# Altium PCB MB1166.PcbDoc (part 38 of 39)
Units mil, origin at the board's own origin, x right, y up, seen from the top; angles counter-clockwise.
Board outline 5000.99 x 2352.96 mil, 4 copper layers (TOP, L2_GND, L3_VCC, BOTTOM), stack 25.9 mil thick; 35 components, 24 nets, 166 pads, 143 vias.
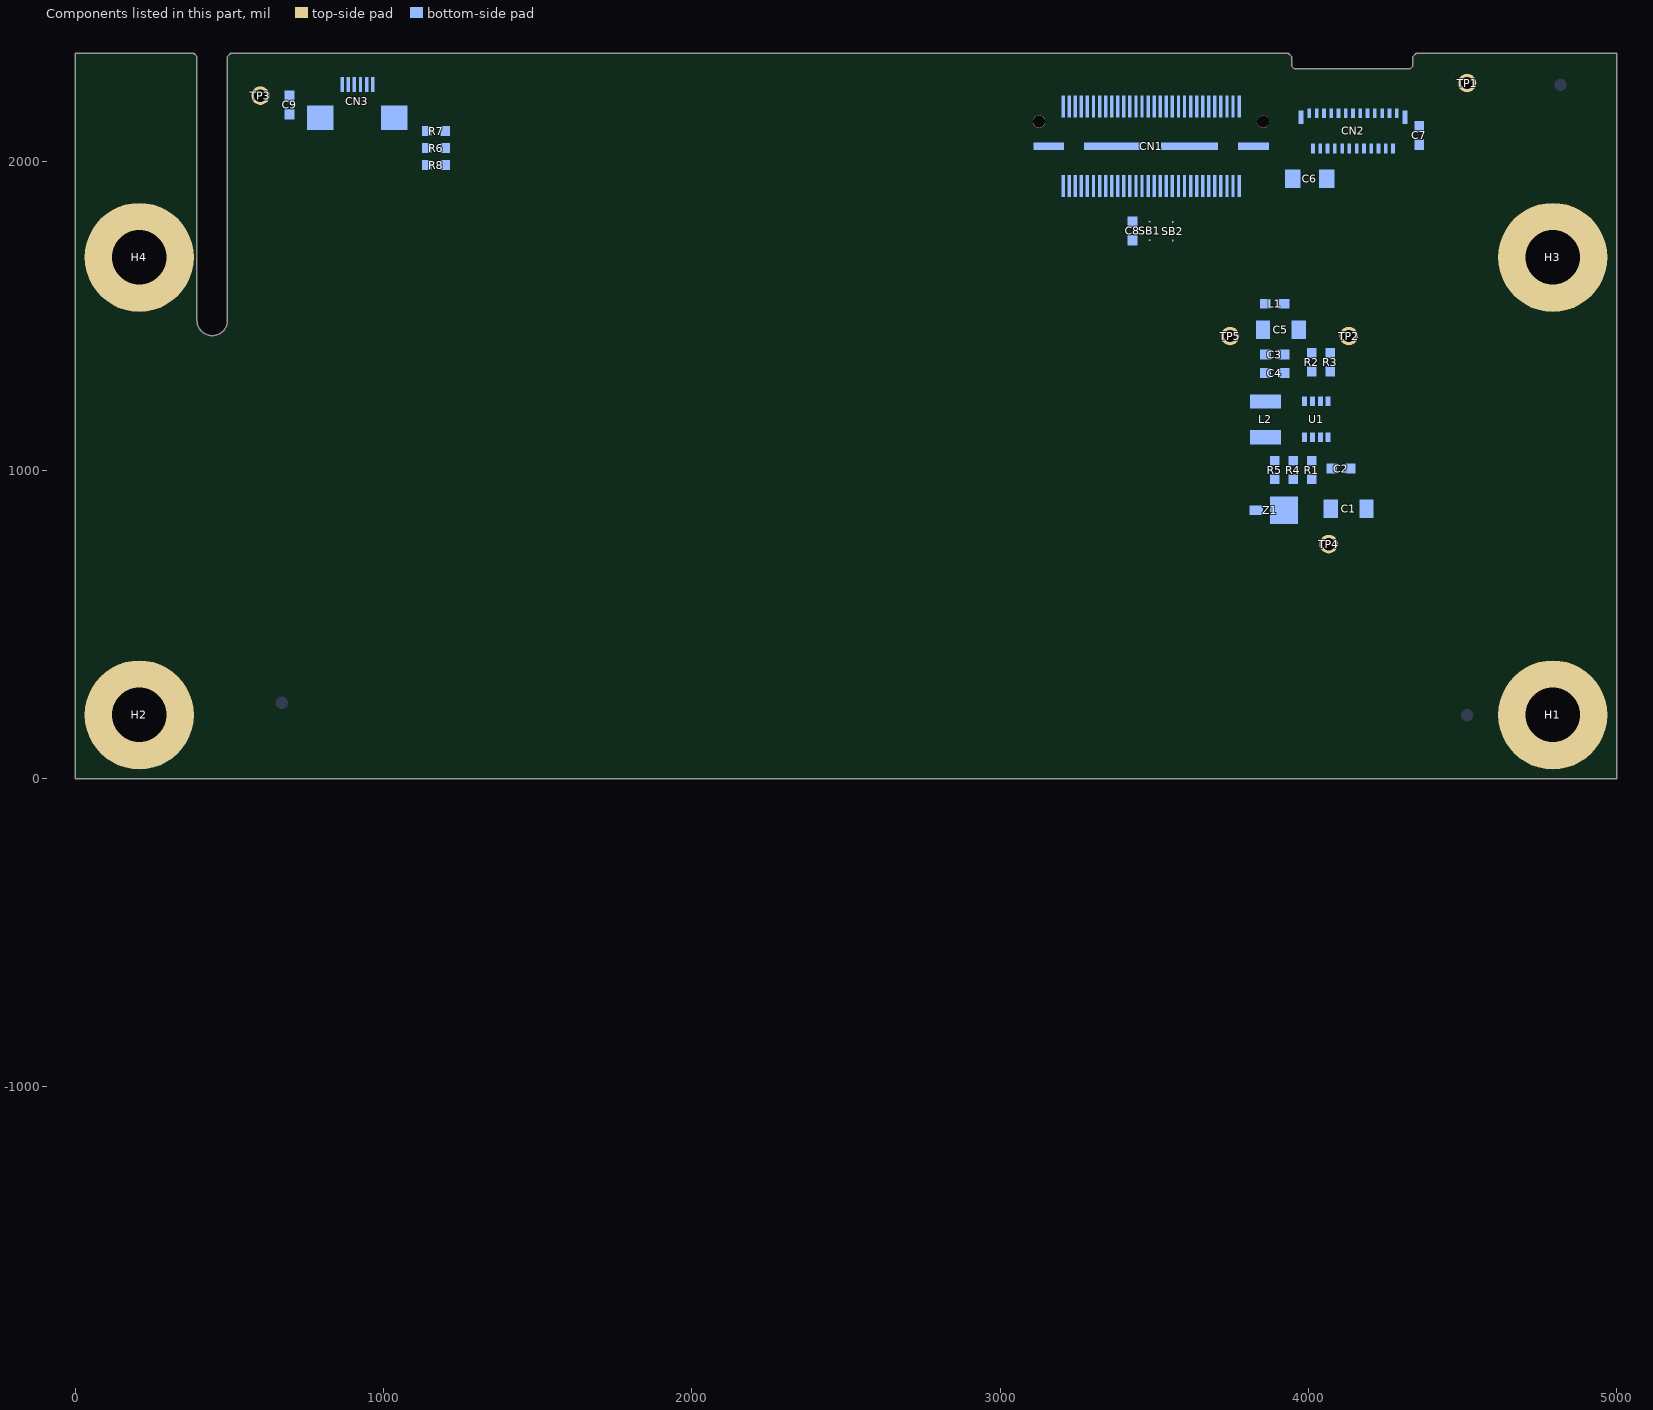
[diagram p40: the components of this part, seen from the top]

## Polygon pours and split planes (outlines as drawn) (continued)
no net on ORIGIN (solid): 0,100 -8.72,99.62 -17.36,98.48 -25.88,96.59 -34.2,93.97 -42.26,90.63 -50,86.6 -57.36,81.92 -64.28,76.6 -70.71,70.71 -76.6,64.28 -81.92,57.36 -86.6,50 -90.63,42.26 -93.97,34.2 -96.59,25.88 -98.48,17.36 -99.62,8.72 -100,0 0,0 0,100
no net on ORIGIN (solid): 0,-100 8.72,-99.62 17.36,-98.48 25.88,-96.59 34.2,-93.97 42.26,-90.63 50,-86.6 57.36,-81.92 64.28,-76.6 70.71,-70.71 76.6,-64.28 81.92,-57.36 86.6,-50 90.63,-42.26 93.97,-34.2 96.59,-25.88 98.48,-17.36 99.62,-8.72 100,0 0,0 0,-100
no net on ORIGIN (solid): 0,100 -8.72,99.62 -17.36,98.48 -25.88,96.59 -34.2,93.97 -42.26,90.63 -50,86.6 -57.36,81.92 -64.28,76.6 -70.71,70.71 -76.6,64.28 -81.92,57.36 -86.6,50 -90.63,42.26 -93.97,34.2 -96.59,25.88 -98.48,17.36 -99.62,8.72 -100,0 0,0 0,100
VL on BOTTOM "BOTTOM-VL" (solid, remove dead copper, pour order 14): 3700,1185 3680,1205 3680,1595 3695,1610 3870,1610 3880,1600 3880,1562.02 3837.46,1562.02 3837.46,1517.98 3880,1517.98 3880,1491.02 3823.96,1491.02 3823.96,1418.98 3880,1418.98 3880,1397.02 3837.46,1397.02 3837.46,1352.98 3880,1352.98 3880,1337.02 3837.46,1337.02 3837.46,1292.98 3880,1292.98 3880,1275 3890,1265 3975,1265 3990,1250 3990,1244.58 3973.58,1244.58 3973.58,1210 3935,1210 3930,1205 3930,1195 3920,1185 3700,1185
NETL2_2 on BOTTOM "BOTTOM-NETL2_2" (solid, remove dead copper, pour order 12): 3697,783 3680,800 3680,1130 3700,1150 3910,1150 3945,1115 3951.69,1115 3951.71,1114.98 3965.01,1114.98 3970,1110 3970,1090 3945,1065 3860,1065 3850,1055 3850,1014.29 3848.8,1013.28 3847.69,1012.17 3846.68,1010.96 3845.78,1009.67 3844.99,1008.31 3844.33,1006.89 3843.79,1005.41 3843.38,1003.89 3843.11,1002.34 3842.98,1000.77 3842.98,999.2 3843.12,997.64 3843.39,996.09 3843.8,994.57 3844.34,993.09 3845,991.67 3845.79,990.31 3846.69,989.02 3847.7,987.82 3848.81,986.71 3850,985.71 3850,892.02 3802.46,892.02 3802.46,847.98 3850,847.98 3850,799 3834,783 3697,783
GND on BOTTOM "BOTTOM-GND 2" (solid, remove dead copper, pour order 10): 3405.17,1963.87 3379.38,1989.66 3379.15,1989.92 3378.93,1990.2 3378.75,1990.49 3378.58,1990.8 3378.45,1991.12 3378.35,1991.45 3378.27,1991.8 3378.23,1992.14 3378.21,1992.49 3378.23,1992.84 3378.27,1993.18 3378.35,1993.53 3378.45,1993.86 3378.58,1994.18 3378.75,1994.49 3378.93,1994.78 3379.15,1995.06 3379.38,1995.32 3379.64,1995.55 3379.92,1995.77 3380.21,1995.95 3380.52,1996.12 3380.84,1996.25 3381.17,1996.35 3381.52,1996.43 3381.86,1996.47 3382.21,1996.49 3721.47,1996.49 3747.24,1970.72 3747.24,1963.87 3405.17,1963.87
GND on BOTTOM "BOTTOM-GND 1" (solid, remove dead copper, pour order 8): 3148.53,1863.52 2983.53,2028.52 1253.14,2028.52 1252.79,2028.54 1252.45,2028.58 1252.1,2028.66 1251.77,2028.76 1251.45,2028.89 1251.14,2029.06 1250.85,2029.24 1250.57,2029.46 1250.31,2029.69 1250.08,2029.95 1249.86,2030.23 1249.68,2030.52 1249.51,2030.83 1249.38,2031.15 1249.28,2031.48 1249.2,2031.83 1249.16,2032.17 1249.14,2032.52 1249.16,2032.87 1249.2,2033.21 1249.28,2033.56 1249.38,2033.89 1249.51,2034.21 1249.68,2034.52 1249.84,2034.78 1250.68,2036.11 1251.39,2037.51 1251.98,2038.97 1252.44,2040.47 1252.77,2042.01 1252.96,2043.57 1253.02,2045.14 1252.94,2046.71 1252.72,2048.27 1252.37,2049.8 1251.88,2051.29 1251.27,2052.74 1250.54,2054.13 1249.68,2055.45 1248.71,2056.69 1247.64,2057.84 1246.48,2058.89 1245.95,2059.31 1245.68,2059.53 1245.43,2059.78 1245.21,2060.04 1245.01,2060.33 1244.83,2060.63 1244.69,2060.95 1244.57,2061.28 1244.48,2061.61 1244.41,2061.96 1244.38,2062.3 1244.38,2062.65 1244.41,2063 1244.47,2063.34 1244.56,2063.68 1244.68,2064.01 1244.83,2064.33 1245.01,2064.63 1245.21,2064.91 1245.43,2065.18 1245.68,2065.43 1245.94,2065.65 1246.23,2065.85 1246.53,2066.03 1246.85,2066.17 1247.18,2066.29 1247.51,2066.38 1247.86,2066.45 1248.2,2066.48 1248.38,2066.48 2981.47,2066.48 3071.47,1976.48 3368.47,1976.48 3374.26,1970.7 3374.49,1970.44 3374.71,1970.16 3374.89,1969.87 3375.06,1969.56 3375.19,1969.24 3375.29,1968.91 3375.37,1968.56 3375.41,1968.22 3375.43,1967.87 3375.41,1967.52 3375.37,1967.18 3375.29,1966.83 3375.19,1966.5 3375.06,1966.18 3374.89,1965.87 3374.71,1965.58 3374.49,1965.3 3374.26,1965.04 3374,1964.81 3373.72,1964.59 3373.43,1964.41 3373.12,1964.24 3372.8,1964.11 3372.47,1964.01 3372.12,1963.93 3371.78,1963.89 3371.43,1963.87 3193.05,1963.87 3193.05,1879.83 3333.13,1879.83 3333.48,1879.81 3333.82,1879.77 3334.17,1879.69 3334.5,1879.59 3334.82,1879.46 3335.13,1879.29 3335.42,1879.11 3335.7,1878.89 3335.96,1878.66 3336.19,1878.4 3336.41,1878.12 3336.59,1877.83 3336.76,1877.52 3336.89,1877.2 3336.99,1876.87 3337.07,1876.52 3337.11,1876.18 3337.13,1875.83 3337.11,1875.48 3337.07,1875.14 3336.99,1874.79 3336.89,1874.46 3336.76,1874.14 3336.59,1873.83 3336.41,1873.54 3336.19,1873.26 3335.96,1873 3326.47,1863.52 3148.53,1863.52
GND on BOTTOM "BOTTOM-GND" (solid, remove dead copper, pour order 16): 4330,2281.3 4332.61,2281.41 4335.21,2281.76 4337.76,2282.32 4340.26,2283.11 4342.68,2284.11 4345,2285.32 4347.21,2286.73 4349.28,2288.32 4351.21,2290.09 4352.98,2292.02 4354.57,2294.09 4355.98,2296.3 4357.19,2298.62 4358.19,2301.04 4358.98,2303.54 4359.54,2306.09 4359.89,2308.69 4360,2311.3 4360,2331.96 4979.99,2331.96 4979.99,20 20,20 20,2331.96 373.74,2331.96 373.74,1485.99 374.01,1479.89 374.8,1473.83 376.13,1467.87 377.96,1462.05 380.3,1456.41 383.12,1450.99 386.4,1445.84 390.12,1440.99 394.24,1436.49 398.74,1432.37 403.59,1428.65 408.74,1425.37 414.16,1422.55 419.8,1420.21 425.62,1418.38 431.58,1417.05 437.64,1416.26 443.74,1415.99 449.84,1416.26 455.9,1417.05 461.86,1418.38 467.68,1420.21 473.32,1422.55 478.74,1425.37 483.89,1428.65 488.74,1432.37 493.24,1436.49 497.36,1440.99 501.08,1445.84 504.36,1450.99 507.18,1456.41 509.52,1462.05 511.35,1467.87 512.68,1473.83 513.47,1479.89 513.74,1485.99 513.74,2331.66 3925,2331.66 3925,2311.3 3925.11,2308.69 3925.46,2306.09 3926.02,2303.54 3926.81,2301.04 3927.81,2298.62 3929.02,2296.3 3930.43,2294.09 3932.02,2292.02 3933.79,2290.09 3935.72,2288.32 3937.79,2286.73 3940,2285.32 3942.32,2284.11 3944.74,2283.11 3947.24,2282.32 3949.79,2281.76 3952.39,2281.41 3955,2281.3 4330,2281.3
BLGND on BOTTOM "BOTTOM-BLGND" (solid, remove dead copper, pour order 6): 3967,1603 3930,1640 3730,1640 3604,1766 3604,1833 3592,1845 3540.5,1845 3535.5,1850 3535.5,1870 3541,1875.5 3727.5,1875.5 3800,1803 4114,1803 4250,1667 4250,815 4235,800 4155,800 4140,815 4140,970 4133.84,976.16 4133.6,976.41 4133.39,976.69 4133.2,976.99 4133.04,977.3 4132.91,977.62 4132.8,977.95 4132.73,978.29 4132.68,978.64 4132.67,978.99 4132.69,979.34 4132.73,979.68 4132.81,980.02 4132.91,980.35 4133.05,980.68 4133.21,980.99 4133.4,981.28 4133.61,981.56 4133.85,981.81 4134.1,982.05 4134.38,982.26 4134.68,982.45 4134.99,982.61 4135.31,982.74 4135.64,982.85 4135.98,982.92 4136.33,982.97 4136.67,982.98 4159.5,982.98 4159.5,1027.02 4120,1027.02 4120,1120 4105,1135 3960,1135 3950,1145 3950,1185 3954.99,1189.98 3993.29,1189.98 3998.31,1195 4125,1195 4130,1200 4130,1330 4095,1365 4093,1365 4093,1401.52 4048.96,1401.52 4048.96,1365 4033,1365 4033,1401.52 3988.96,1401.52 3988.96,1363.96 3965,1340 3965,1290 3960.01,1285.02 3905,1285.02 3905,1292.98 3944.5,1292.98 3944.5,1337.02 3905,1337.02 3905,1352.98 3944.5,1352.98 3944.5,1397.02 3905,1397.02 3905,1490 3925,1510 3952,1510 3967,1525 3967,1603
A on BOTTOM "BOTTOM-A" (solid, remove dead copper, pour order 4): 3890,705 3870,725 3870,790.69 3870.02,790.71 3870.02,819.48 3972,819.48 3972,920.52 3880.17,920.52 3879.82,920.54 3879.48,920.58 3879.13,920.66 3878.8,920.76 3878.48,920.89 3878.17,921.06 3877.88,921.24 3877.6,921.46 3877.34,921.69 3877.11,921.95 3876.89,922.23 3876.71,922.52 3876.54,922.83 3876.41,923.15 3876.31,923.48 3876.23,923.83 3876.19,924.17 3876.17,924.52 3876.19,924.87 3876.23,925.21 3876.31,925.56 3876.41,925.89 3876.54,926.21 3876.71,926.52 3876.89,926.81 3877.11,927.09 3877.34,927.34 3880,930 4035,930 4045,940 4045,1049 4036,1058 4036,1070 4043,1077 4073,1077 4099.98,1050.02 4099.98,1027.02 4052.46,1027.02 4052.46,982.98 4099.98,982.98 4099.98,981.71 4100,981.69 4100,975 4115,960 4115,725 4095,705 3890,705
GND on TOP "TOP-GND" (solid, remove dead copper, pour order 2): 20,20 20,2331.96 373.74,2331.96 373.74,1485.99 374.01,1479.89 374.8,1473.83 376.13,1467.87 377.96,1462.05 380.3,1456.41 383.12,1450.99 386.4,1445.84 390.12,1440.99 394.24,1436.49 398.74,1432.37 403.59,1428.65 408.74,1425.37 414.16,1422.55 419.8,1420.21 425.62,1418.38 431.58,1417.05 437.64,1416.26 443.74,1415.99 449.84,1416.26 455.9,1417.05 461.86,1418.38 467.68,1420.21 473.32,1422.55 478.74,1425.37 483.89,1428.65 488.74,1432.37 493.24,1436.49 497.36,1440.99 501.08,1445.84 504.36,1450.99 507.18,1456.41 509.52,1462.05 511.35,1467.87 512.68,1473.83 513.47,1479.89 513.74,1485.99 513.74,2331.96 3925,2331.96 3925,2311.3 3925.11,2308.69 3925.46,2306.09 3926.02,2303.54 3926.81,2301.04 3927.81,2298.62 3929.02,2296.3 3930.43,2294.09 3932.02,2292.02 3933.79,2290.09 3935.72,2288.32 3937.79,2286.73 3940,2285.32 3942.32,2284.11 3944.74,2283.11 3947.24,2282.32 3949.79,2281.76 3952.39,2281.41 3955,2281.3 4330,2281.3 4332.61,2281.41 4335.21,2281.76 4337.76,2282.32 4340.26,2283.11 4342.68,2284.11 4345,2285.32 4347.21,2286.73 4349.28,2288.32 4351.21,2290.09 4352.98,2292.02 4354.57,2294.09 4355.98,2296.3 4357.19,2298.62 4358.19,2301.04 4358.98,2303.54 4359.54,2306.09 4359.89,2308.69 4360,2311.3 4360,2331.96 4979.99,2331.96 4979.99,20 20,20
BLGND on TOP "TOP-BLGND" (solid, remove dead copper, pour order 0): 3484,2130 3490,2136 3537,2136 3560,2113 3560,1925 3629,1856 3629,1788 3622,1781 3579,1781 3513,1847 3513,2083 3484,2112 3484,2130
no net on LAY13 (solid): 4878,2250 ccw(c4818,2250) 4818,2310 ccw(c4818,2250) 4758,2250 ccw(c4818,2250) 4818,2190 ccw(c4818,2250) 4878,2250
no net on LAY13 (solid): 730,245 ccw(c670,245) 670,305 ccw(c670,245) 610,245 ccw(c670,245) 670,185 ccw(c670,245) 730,245
no net on LAY13 (solid): 4575,205 ccw(c4515,205) 4515,265 ccw(c4515,205) 4455,205 ccw(c4515,205) 4515,145 ccw(c4515,205) 4575,205
no net on LAY13 "PLACE_BOUND_TOP-No Net" (solid): 393.66,2350.98 393.66,0.98 4603.66,0.98 4603.66,2350.98 393.66,2350.98
VDD on L3_VCC (split plane): 254 vertices, not listed, extent 19.69,19.69 4980.3,2332.27
GND on L3_VCC (split plane): 3895.94,2329.5 3929.12,2296.33 3929.22,2296.07 3929.61,2295.66 3929.92,2295.19 3930.21,2294.99 3931.19,2293.57 3931.35,2293.41 3931.46,2293.21 3932.83,2291.56 3933,2291.42 3933.13,2291.23 3934.63,2289.7 3934.82,2289.58 3934.96,2289.4 3936.59,2288.01 3936.79,2287.9 3936.94,2287.74 3938.71,2286.48 3938.89,2286.22 3939.36,2285.91 3939.77,2285.52 3940.03,2285.42 3948.64,2276.81 3950.29,2275.7 3952.24,2275.31 4313.99,2275.31 4314.13,2275.25 4314.62,2274.62 4339.44,2249.8 4339.44,2015.2 4274.79,1950.56 4155.33,1950.56 4154.27,1950.42 4154.07,1950.56 4153.87,1950.66 4153.7,1950.81 4152.76,1951.39 4152.55,1951.46 4152.37,1951.6 4151.39,1952.09 4151.17,1952.15 4150.98,1952.27 4149.96,1952.67 4149.74,1952.71 4149.54,1952.82 4148.48,1953.13 4148.26,1953.15 4148.05,1953.24 4146.97,1953.46 4146.75,1953.46 4146.53,1953.53 4145.44,1953.65 4145.22,1953.63 4145,1953.68 4143.9,1953.71 4143.67,1953.67 4143.45,1953.7 4142.35,1953.63 4142.14,1953.57 4141.91,1953.58 4140.82,1953.42 4140.61,1953.34 4140.39,1953.33 4139.32,1953.08 4139.11,1952.98 4138.89,1952.95 4137.85,1952.6 4137.65,1952.49 4137.43,1952.44 4136.42,1952 4136.24,1951.88 4136.02,1951.81 4135.06,1951.28 4134.88,1951.14 4134.67,1951.05 4133.73,1950.42 4133.72,1950.42 4132.67,1950.56 3181.17,1950.56 3179.53,1951.24 3071.24,2059.52 3070.95,2060.21 3070.56,2061.16 3070.56,2330 3070.54,2330.11 3071.03,2330.31 3893.99,2330.31
no net on L3_VCC (split plane): 4892.91,999.72 4826.09,999.72 4826.09,1069.52 4892.91,1069.52
no net on L3_VCC (split plane): 4795.91,999.72 4730.09,999.72 4730.09,1069.52 4795.91,1069.52
GND on L2_GND (split plane): 250 vertices, not listed, extent 19.69,19.69 4980.3,2332.27
GND on L2_GND (split plane): 4896.38,909.72 4826.58,909.72 4826.58,979.52 4896.38,979.52
GND on L2_GND (split plane): 4796.38,909.72 4726.58,909.72 4726.58,979.52 4796.38,979.52

## Keep-outs
BOTTOM:
  circle w1: c4818,2250 r65
  circle w1: c4818,2250 r60
  circle w1: c670,245 r60
  circle w1: c670,245 r65
  circle w1: c4515,205 r60
  circle w1: c4515,205 r65
  circle w1: c4818,2250 r65
  circle w1: c4818,2250 r60
  circle w1: c670,245 r60
  circle w1: c670,245 r65
  circle w1: c4515,205 r60
  circle w1: c4515,205 r65
Keep-Out Layer:
  lines w1: 0,0 0,2351.96 ; 0,0 4999.99,0 ; 0,0 0,2351.96 ; 0,0 4999.99,0 ; 0,0 4999.99,0 ; 0,0 0,2351.96 ; 0,0 4999.99,0 ; 0,0 0,2351.96 ; 0,2351.96 383.74,2351.96 ; 0,2351.96 383.74,2351.96 ; 0,2351.96 383.74,2351.96 ; 0,2351.96 383.74,2351.96 ; 383.74,2351.96 cw(c383.74,2341.96) 393.74,2341.96 ; 383.74,2351.96 cw(c383.74,2341.96) 393.74,2341.96 ; 383.74,2351.96 cw(c383.74,2341.96) 393.74,2341.96 ; 383.74,2351.96 cw(c383.74,2341.96) 393.74,2341.96 ; 393.74,1485.99 ccw(c443.74,1485.99) 443.74,1435.99 ; 393.74,1485.99 ccw(c443.74,1485.99) 443.74,1435.99 ; 393.74,1485.99 ccw(c443.74,1485.99) 443.74,1435.99 ; 393.74,1485.99 ccw(c443.74,1485.99) 443.74,1435.99 ; 393.74,1485.99 393.74,2060.98 ; 393.74,1485.99 393.74,2060.98 ; 393.74,1485.99 393.74,2060.98 ; 393.74,1485.99 393.74,2060.98 ; 393.74,2060.98 393.74,2341.96 ; 393.74,2060.98 393.74,2341.96 ; 393.74,2060.98 393.74,2341.96 ; 393.74,2060.98 393.74,2341.96 ; 443.74,1435.99 ccw(c443.74,1485.99) 493.74,1485.99 ; 443.74,1435.99 ccw(c443.74,1485.99) 493.74,1485.99 ; 443.74,1435.99 ccw(c443.74,1485.99) 493.74,1485.99 ; 443.74,1435.99 ccw(c443.74,1485.99) 493.74,1485.99 ; 493.74,1485.99 493.74,2341.96 ; 493.74,1485.99 493.74,2341.96 ; 493.74,1485.99 493.74,2341.96 ; 493.74,1485.99 493.74,2341.96 ; 493.74,2341.96 cw(c503.74,2341.96) 503.74,2351.96 ; 493.74,2341.96 cw(c503.74,2341.96) 503.74,2351.96 ; 493.74,2341.96 cw(c503.74,2341.96) 503.74,2351.96 ; 493.74,2341.96 cw(c503.74,2341.96) 503.74,2351.96 ; 503.74,2351.96 3935,2351.96 ; 503.74,2351.96 3935,2351.96 ; 503.74,2351.96 3935,2351.96 ; 503.74,2351.96 3935,2351.96 ; 3935,2351.96 cw(c3935,2341.96) 3945,2341.96 ; 3935,2351.96 cw(c3935,2341.96) 3945,2341.96 ; 3935,2351.96 cw(c3935,2341.96) 3945,2341.96 ; 3935,2351.96 cw(c3935,2341.96) 3945,2341.96 ; 3945,2311.3 ccw(c3955,2311.3) 3955,2301.3 ; 3945,2311.3 ccw(c3955,2311.3) 3955,2301.3 ; 3945,2311.3 ccw(c3955,2311.3) 3955,2301.3 ; 3945,2311.3 ccw(c3955,2311.3) 3955,2301.3 ; 3945,2311.3 3945,2341.96 ; 3945,2311.3 3945,2341.96 ; 3945,2311.3 3945,2341.96 ; 3945,2311.3 3945,2341.96 ; 3955,2301.3 4180,2301.3 ; 3955,2301.3 4180,2301.3 ; 3955,2301.3 4180,2301.3 ; 3955,2301.3 4180,2301.3 ; 4175,2301.3 4330,2301.3 ; 4175,2301.3 4330,2301.3 ; 4175,2301.3 4180,2301.3 ; 4175,2301.3 4180,2301.3 ; 4175,2301.3 4330,2301.3 ; 4175,2301.3 4330,2301.3 ; 4330,2301.3 ccw(c4330,2311.3) 4340,2311.3 ; 4330,2301.3 ccw(c4330,2311.3) 4340,2311.3 ; 4330,2301.3 ccw(c4330,2311.3) 4340,2311.3 ; 4330,2301.3 ccw(c4330,2311.3) 4340,2311.3 ; 4340,2311.3 4340,2341.96 ; 4340,2311.3 4340,2341.96 ; 4340,2311.3 4340,2341.96 ; 4340,2311.3 4340,2341.96 ; 4340,2341.96 cw(c4350,2341.96) 4350,2351.96 ; 4340,2341.96 cw(c4350,2341.96) 4350,2351.96 ; 4340,2341.96 cw(c4350,2341.96) 4350,2351.96 ; 4340,2341.96 cw(c4350,2341.96) 4350,2351.96 ; 4350,2351.96 4999.99,2351.96 ; 4350,2351.96 4999.99,2351.96 ; 4350,2351.96 4999.99,2351.96 ; 4350,2351.96 4999.99,2351.96 ; 4999.99,0 4999.99,2351.96 ; 4999.99,0 4999.99,2351.96 ; 4999.99,0 4999.99,2351.96 ; 4999.99,0 4999.99,2351.96
Drill Drawing:
  lines w2: 502,-1234 506,-1230 502,-1234

## Other copper
TOP:
  pour cut-out: 4551.33,2255.98 4550.09,2265.38 4546.46,2274.15 4540.69,2281.67 4533.17,2287.44 4524.4,2291.07 4515,2292.31 4505.6,2291.07 4496.83,2287.44 4489.31,2281.67 4483.54,2274.15 4479.91,2265.38 4478.67,2255.98 4479.91,2246.58 4483.54,2237.81 4489.31,2230.29 4496.83,2224.52 4505.6,2220.89 4515,2219.65 4524.4,2220.89 4533.17,2224.52 4540.69,2230.29 4546.46,2237.81 4550.09,2246.58 4551.33,2255.98
  pour cut-out: 4418.37,2115.98 4416.97,2123.01 4412.99,2128.97 4407.03,2132.95 4400,2134.35 4392.97,2132.95 4387.01,2128.97 4383.03,2123.01 4381.63,2115.98 4383.03,2108.95 4387.01,2102.99 4392.97,2099.01 4400,2097.61 4407.03,2099.01 4412.99,2102.99 4416.97,2108.95 4418.37,2115.98
  pour cut-out: 4078.37,1895 4076.97,1902.03 4072.99,1907.99 4067.03,1911.97 4060,1913.37 4052.97,1911.97 4047.01,1907.99 4043.03,1902.03 4041.63,1895 4043.03,1887.97 4047.01,1882.01 4052.97,1878.03 4060,1876.63 4067.03,1878.03 4072.99,1882.01 4076.97,1887.97 4078.37,1895
  pour cut-out: 4167.31,1435 4166.07,1444.4 4162.44,1453.17 4156.67,1460.69 4149.15,1466.46 4140.38,1470.09 4130.98,1471.33 4121.58,1470.09 4112.81,1466.46 4105.29,1460.69 4099.52,1453.17 4095.89,1444.4 4094.65,1435 4095.89,1425.6 4099.52,1416.83 4105.29,1409.31 4112.81,1403.54 4121.58,1399.91 4130.98,1398.67 4140.38,1399.91 4149.15,1403.54 4156.67,1409.31 4162.44,1416.83 4166.07,1425.6 4167.31,1435
  pour cut-out: 4102.31,760 4101.07,769.4 4097.44,778.17 4091.67,785.69 4084.15,791.46 4075.38,795.09 4065.98,796.33 4056.58,795.09 4047.81,791.46 4040.29,785.69 4034.52,778.17 4030.89,769.4 4029.65,760 4030.89,750.6 4034.52,741.83 4040.29,734.31 4047.81,728.54 4056.58,724.91 4065.98,723.67 4075.38,724.91 4084.15,728.54 4091.67,734.31 4097.44,741.83 4101.07,750.6 4102.31,760
  pour cut-out: 3879.35,1000 3877.95,1007.03 3873.97,1012.99 3868.01,1016.97 3860.98,1018.37 3853.95,1016.97 3847.99,1012.99 3844.01,1007.03 3842.61,1000 3844.01,992.97 3847.99,987.01 3853.95,983.03 3860.98,981.63 3868.01,983.03 3873.97,987.01 3877.95,992.97 3879.35,1000
  pour cut-out: 3782.31,1435 3781.07,1444.4 3777.44,1453.17 3771.67,1460.69 3764.15,1466.46 3755.38,1470.09 3745.98,1471.33 3736.58,1470.09 3727.81,1466.46 3720.29,1460.69 3714.52,1453.17 3710.89,1444.4 3709.65,1435 3710.89,1425.6 3714.52,1416.83 3720.29,1409.31 3727.81,1403.54 3736.58,1399.91 3745.98,1398.67 3755.38,1399.91 3764.15,1403.54 3771.67,1409.31 3777.44,1416.83 3781.07,1425.6 3782.31,1435
  pour cut-out: 3403.37,1805.98 3401.97,1813.01 3397.99,1818.97 3392.03,1822.95 3385,1824.35 3377.97,1822.95 3372.01,1818.97 3368.03,1813.01 3366.63,1805.98 3368.03,1798.95 3372.01,1792.99 3377.97,1789.01 3385,1787.61 3392.03,1789.01 3397.99,1792.99 3401.97,1798.95 3403.37,1805.98
  pour cut-out: 1258.37,1990 1256.97,1997.03 1252.99,2002.99 1247.03,2006.97 1240,2008.37 1232.97,2006.97 1227.01,2002.99 1223.03,1997.03 1221.63,1990 1223.03,1982.97 1227.01,1977.01 1232.97,1973.03 1240,1971.63 1247.03,1973.03 1252.99,1977.01 1256.97,1982.97 1258.37,1990
  pour cut-out: 1258.37,2100 1256.97,2107.03 1252.99,2112.99 1247.03,2116.97 1240,2118.37 1232.97,2116.97 1227.01,2112.99 1223.03,2107.03 1221.63,2100 1223.03,2092.97 1227.01,2087.01 1232.97,2083.03 1240,2081.63 1247.03,2083.03 1252.99,2087.01 1256.97,2092.97 1258.37,2100
  pour cut-out: 1253.37,2045 1251.97,2052.03 1247.99,2057.99 1242.03,2061.97 1235,2063.37 1227.97,2061.97 1222.01,2057.99 1218.03,2052.03 1216.63,2045 1218.03,2037.97 1222.01,2032.01 1227.97,2028.03 1235,2026.63 1242.03,2028.03 1247.99,2032.01 1251.97,2037.97 1253.37,2045
  pour cut-out: 3161.99,2130.9 3160.77,2140.16 3157.19,2148.78 3151.51,2156.19 3144.1,2161.87 3135.48,2165.45 3126.22,2166.67 3116.96,2165.45 3108.34,2161.87 3100.93,2156.19 3095.25,2148.78 3091.67,2140.16 3090.45,2130.9 3091.67,2121.64 3095.25,2113.02 3100.93,2105.61 3108.34,2099.93 3116.96,2096.35 3126.22,2095.13 3135.48,2096.35 3144.1,2099.93 3151.51,2105.61 3157.19,2113.02 3160.77,2121.64 3161.99,2130.9
  pour cut-out: 3653.78,2310.5 3654.29,2310.5 3659.8,2316.01 3694.58,2316.01 3718.22,2292.37 3905.39,2292.37 4005.48,2192.28 4130.17,2192.28 4163.7,2158.75 4163.7,2116.28 4166.98,2113 4212.98,2113 4222.3,2103.68 4222.3,2066.39 4183.35,2027.44 4163.7,2027.44 4163.7,2018.21 4175.06,2006.85 4175.06,1985.49 4166.38,1976.81 3650.19,1976.81 3630,1997 3630,2088.86 3597.44,2121.42 3597.44,2149.35 3628.65,2180.56 3646.56,2180.56 3656.78,2190.78 3656.78,2247.6 3653.04,2251.34 3653.04,2300.06 3652.29,2300.81 3653.78,2302.3
  pour cut-out: 4710,1258 4913,1258 4913,720 4710,720
  text "1" at 4786.48,836.62 h50 r90
  text "1" at 4786.48,836.62 h50 r90
  text "A" at 4886.48,836.62 h50 r90
  text "A" at 4886.48,836.62 h50 r90
  text "COMPANY NAME:" at 3360,-1080 h60
  text "LAYER:" at 1760,-1130 h75
  text "1" at 2310,-1130 h75
  text "1" at 2310,-1130 h75
  text "ST" at 3510,-1230 h75
  text "PRIMARY SIDE" at 1810,-1280 h60
  text "PRIMARY SIDE" at 1810,-1280 h60
  text "PROJECT NAME:" at 3360,-1380 h60
  text "DESIGNED BY SOFER" at 490,-1400 h60
  text "www.sofer.com.cn" at 510,-1500 h60
  text "DESIGNER:" at 1810,-1530 h60
  text "Shelley" at 2310,-1530 h60
  text "MB1166" at 3510,-1530 h75
  text "Tel : +86 21 - 6482 6908" at 310,-1680 h60
  text "PROJECT NUMBER:" at 3360,-1680 h60
  text "REV" at 4560,-1680 h60
  text "Mail: design@sofer.com.cn" at 310,-1780 h60
  text "DATE:" at 1810,-1780 h60
  text "2014.08.27" at 2110,-1780 h60
  text "D031-013B1" at 3510,-1830 h75
  text "A" at 4660,-1830 h75
BOTTOM:
  pour cut-out: 3782.31,1435 3781.07,1444.4 3777.44,1453.17 3771.67,1460.69 3764.15,1466.46 3755.38,1470.09 3745.98,1471.33 3736.58,1470.09 3727.81,1466.46 3720.29,1460.69 3714.52,1453.17 3710.89,1444.4 3709.65,1435 3710.89,1425.6 3714.52,1416.83 3720.29,1409.31 3727.81,1403.54 3736.58,1399.91 3745.98,1398.67 3755.38,1399.91 3764.15,1403.54 3771.67,1409.31 3777.44,1416.83 3781.07,1425.6 3782.31,1435
  pour cut-out: 4883.34,2250 4882.09,2262.75 4878.37,2275.01 4872.33,2286.3 4864.21,2296.21 4854.3,2304.33 4843.01,2310.37 4830.75,2314.09 4818,2315.34 4805.25,2314.09 4792.99,2310.37 4781.7,2304.33 4771.79,2296.21 4763.67,2286.3 4757.63,2275.01 4753.91,2262.75 4752.66,2250 4753.91,2237.25 4757.63,2224.99 4763.67,2213.7 4771.79,2203.79 4781.7,2195.67 4792.99,2189.63 4805.25,2185.91 4818,2184.66 4830.75,2185.91 4843.01,2189.63 4854.3,2195.67 4864.21,2203.79 4872.33,2213.7 4878.37,2224.99 4882.09,2237.25 4883.34,2250
  pour cut-out: 4551.33,2255.98 4550.09,2265.38 4546.46,2274.15 4540.69,2281.67 4533.17,2287.44 4524.4,2291.07 4515,2292.31 4505.6,2291.07 4496.83,2287.44 4489.31,2281.67 4483.54,2274.15 4479.91,2265.38 4478.67,2255.98 4479.91,2246.58 4483.54,2237.81 4489.31,2230.29 4496.83,2224.52 4505.6,2220.89 4515,2219.65 4524.4,2220.89 4533.17,2224.52 4540.69,2230.29 4546.46,2237.81 4550.09,2246.58 4551.33,2255.98
  pour cut-out: 4580.34,205 4579.09,217.75 4575.37,230.01 4569.33,241.3 4561.21,251.21 4551.3,259.33 4540.01,265.37 4527.75,269.09 4515,270.34 4502.25,269.09 4489.99,265.37 4478.7,259.33 4468.79,251.21 4460.67,241.3 4454.63,230.01 4450.91,217.75 4449.66,205 4450.91,192.25 4454.63,179.99 4460.67,168.7 4468.79,158.79 4478.7,150.67 4489.99,144.63 4502.25,140.91 4515,139.66 4527.75,140.91 4540.01,144.63 4551.3,150.67 4561.21,158.79 4569.33,168.7 4575.37,179.99 4579.09,192.25 4580.34,205
  pour cut-out: 735.34,245 734.09,257.75 730.37,270.01 724.33,281.3 716.21,291.21 706.3,299.33 695.01,305.37 682.75,309.09 670,310.34 657.25,309.09 644.99,305.37 633.7,299.33 623.79,291.21 615.67,281.3 609.63,270.01 605.91,257.75 604.66,245 605.91,232.25 609.63,219.99 615.67,208.7 623.79,198.79 633.7,190.67 644.99,184.63 657.25,180.91 670,179.66 682.75,180.91 695.01,184.63 706.3,190.67 716.21,198.79 724.33,208.7 730.37,219.99 734.09,232.25 735.34,245
  pour cut-out: 3161.99,2130.9 3160.77,2140.16 3157.19,2148.78 3151.51,2156.19 3144.1,2161.87 3135.48,2165.45 3126.22,2166.67 3116.96,2165.45 3108.34,2161.87 3100.93,2156.19 3095.25,2148.78 3091.67,2140.16 3090.45,2130.9 3091.67,2121.64 3095.25,2113.02 3100.93,2105.61 3108.34,2099.93 3116.96,2096.35 3126.22,2095.13 3135.48,2096.35 3144.1,2099.93 3151.51,2105.61 3157.19,2113.02 3160.77,2121.64 3161.99,2130.9
  pour cut-out: 3889.55,2130.9 3888.33,2140.16 3884.75,2148.78 3879.07,2156.19 3871.66,2161.87 3863.04,2165.45 3853.78,2166.67 3844.52,2165.45 3835.9,2161.87 3828.49,2156.19 3822.81,2148.78 3819.23,2140.16 3818.01,2130.9 3819.23,2121.64 3822.81,2113.02 3828.49,2105.61 3835.9,2099.93 3844.52,2096.35 3853.78,2095.13 3863.04,2096.35 3871.66,2099.93 3879.07,2105.61 3884.75,2113.02 3888.33,2121.64 3889.55,2130.9
  pour cut-out: 4139.37,1735 4137.97,1742.03 4133.99,1747.99 4128.03,1751.97 4121,1753.37 4113.97,1751.97 4108.01,1747.99 4104.03,1742.03 4102.63,1735 4104.03,1727.97 4108.01,1722.01 4113.97,1718.03 4121,1716.63 4128.03,1718.03 4133.99,1722.01 4137.97,1727.97 4139.37,1735
  pour cut-out: 4167.31,1435 4166.07,1444.4 4162.44,1453.17 4156.67,1460.69 4149.15,1466.46 4140.38,1470.09 4130.98,1471.33 4121.58,1470.09 4112.81,1466.46 4105.29,1460.69 4099.52,1453.17 4095.89,1444.4 4094.65,1435 4095.89,1425.6 4099.52,1416.83 4105.29,1409.31 4112.81,1403.54 4121.58,1399.91 4130.98,1398.67 4140.38,1399.91 4149.15,1403.54 4156.67,1409.31 4162.44,1416.83 4166.07,1425.6 4167.31,1435
  pour cut-out: 4102.31,760 4101.07,769.4 4097.44,778.17 4091.67,785.69 4084.15,791.46 4075.38,795.09 4065.98,796.33 4056.58,795.09 4047.81,791.46 4040.29,785.69 4034.52,778.17 4030.89,769.4 4029.65,760 4030.89,750.6 4034.52,741.83 4040.29,734.31 4047.81,728.54 4056.58,724.91 4065.98,723.67 4075.38,724.91 4084.15,728.54 4091.67,734.31 4097.44,741.83 4101.07,750.6 4102.31,760
  region net BLGND: 3986.61,1196.5 4065.35,1196.5 4065.35,1185.67 4100.78,1185.67 4100.78,1169.92 4065.35,1169.92 4065.35,1160.08 4100.78,1160.08 4100.78,1144.33 4065.35,1144.33 4065.35,1133.5 3986.61,1133.5 3986.61,1144.33 3951.18,1144.33 3951.18,1160.08 3986.61,1160.08 3986.61,1169.92 3951.18,1169.92 3951.18,1185.67 3986.61,1185.67 3986.61,1196.5
  pour cut-out: 854.27,2281.5 975.73,2281.5 975.73,2228 1098,2228 1098,1979.02 1097.98,1979 902,1979 852,2029 853.78,2030.78 853.78,2250.98 854.27,2251.47
  pour cut-out: 4710,1258 4913,1258 4913,720 4710,720
  text "4" at 4786.48,1153.62 h50 r90
  text "4" at 4786.48,1153.62 h50 r90
  text "A" at 4886.48,1153.62 h50 r90
  text "A" at 4886.48,1153.62 h50 r90
  text "COMPANY NAME:" at 3360,-1080 h60
  text "LAYER:" at 1760,-1130 h75
  text "2" at 2260,-1130 h75
  text "2" at 2260,-1130 h75
  text "ST" at 3510,-1230 h75
  text "SECONDARY SIDE" at 1810,-1280 h60
  text "SECONDARY SIDE" at 1810,-1280 h60
  text "PROJECT NAME:" at 3360,-1380 h60
  text "DESIGNED BY SOFER" at 490,-1400 h60
  text "www.sofer.com.cn" at 510,-1500 h60
  text "DESIGNER:" at 1810,-1530 h60
  text "Shelley" at 2310,-1530 h60
  text "MB1166" at 3510,-1530 h75
  text "Tel : +86 21 - 6482 6908" at 310,-1680 h60
  text "PROJECT NUMBER:" at 3360,-1680 h60
  text "REV" at 4560,-1680 h60
  text "Mail: design@sofer.com.cn" at 310,-1780 h60
  text "DATE:" at 1810,-1780 h60
  text "2014.08.27" at 2110,-1780 h60
  text "D031-013B1" at 3510,-1830 h75
  text "A" at 4660,-1830 h75
L2_GND (plane layer: these items are gaps in the copper):
  rectangle: 4710,720 4913,904.99
  region: 4913,1260 4710,1260 4710,982.95 4913,982.95
  rectangle: 4900.16,904.62 4913,982.95
  rectangle: 4711,904.99 4720.8,982.95
  rectangle: 4800.02,904.83 4822.56,983.16
  pour cut-out: 3161.99,2130.9 3160.77,2140.16 3157.19,2148.78 3151.51,2156.19 3144.1,2161.87 3135.48,2165.45 3126.22,2166.67 3116.96,2165.45 3108.34,2161.87 3100.93,2156.19 3095.25,2148.78 3091.67,2140.16 3090.45,2130.9 3091.67,2121.64 3095.25,2113.02 3100.93,2105.61 3108.34,2099.93 3116.96,2096.35 3126.22,2095.13 3135.48,2096.35 3144.1,2099.93 3151.51,2105.61 3157.19,2113.02 3160.77,2121.64 3161.99,2130.9
  pour cut-out: 3889.55,2130.9 3888.33,2140.16 3884.75,2148.78 3879.07,2156.19 3871.66,2161.87 3863.04,2165.45 3853.78,2166.67 3844.52,2165.45 3835.9,2161.87 3828.49,2156.19 3822.81,2148.78 3819.23,2140.16 3818.01,2130.9 3819.23,2121.64 3822.81,2113.02 3828.49,2105.61 3835.9,2099.93 3844.52,2096.35 3853.78,2095.13 3863.04,2096.35 3871.66,2099.93 3879.07,2105.61 3884.75,2113.02 3888.33,2121.64 3889.55,2130.9
  lines w10: 4721.48,904.62 4721.48,984.62 ; 4721.48,904.62 4801.48,904.62 ; 4721.48,904.62 4721.48,984.62 ; 4721.48,904.62 4801.48,904.62 ; 4721.48,984.62 4801.48,984.62 ; 4721.48,984.62 4801.48,984.62 ; 4801.48,904.62 4801.48,984.62 ; 4801.48,904.62 4801.48,984.62 ; 4821.48,904.62 4821.48,984.62 ; 4821.48,904.62 4901.48,904.62 ; 4821.48,904.62 4821.48,984.62 ; 4821.48,904.62 4901.48,904.62 ; 4821.48,984.62 4901.48,984.62 ; 4821.48,984.62 4901.48,984.62 ; 4901.48,904.62 4901.48,984.62 ; 4901.48,904.62 4901.48,984.62 ; 14.59,20 14.59,2331.96 16.17,2335.79 20,2337.37 373.74,2337.37 377.57,2335.79 379.15,2331.96 379.15,1486.11 379.4,1480.36 380.14,1474.78 381.36,1469.27 383.05,1463.9 385.21,1458.7 387.81,1453.7 390.84,1448.95 394.27,1444.48 398.07,1440.32 402.23,1436.52 406.7,1433.09 411.45,1430.06 416.45,1427.46 421.65,1425.3 427.02,1423.61 432.52,1422.39 438.11,1421.65 443.74,1421.41 449.37,1421.65 454.95,1422.39 460.46,1423.61 465.83,1425.3 471.03,1427.46 476.03,1430.06 480.78,1433.09 485.25,1436.52 489.41,1440.32 493.21,1444.48 496.64,1448.95 499.67,1453.7 502.27,1458.7 504.43,1463.9 506.12,1469.27 507.34,1474.77 508.08,1480.36 508.33,1486.11 508.33,2331.96 509.91,2335.79 513.74,2337.37 3925,2337.37 3928.83,2335.79 3930.41,2331.96 3930.41,2311.42 3930.51,2309.16 3930.79,2307.03 3931.25,2304.94 3931.9,2302.89 3932.72,2300.91 3933.71,2299.01 3934.86,2297.2 3936.17,2295.5 3937.62,2293.92 3939.2,2292.47 3940.9,2291.16 3942.71,2290.01 3944.61,2289.02 3946.59,2288.2 3948.64,2287.55 3950.73,2287.09 3952.86,2286.81 3955.12,2286.71 4329.88,2286.71 4332.14,2286.81 4334.27,2287.09 4336.36,2287.55 4338.41,2288.2 4340.39,2289.02 4342.29,2290.01 4344.1,2291.16 4345.8,2292.47 4347.38,2293.92 4348.83,2295.5 4350.14,2297.2 4351.29,2299.01 4352.28,2300.91 4353.1,2302.89 4353.75,2304.94 4354.21,2307.03 4354.49,2309.16 4354.59,2311.42 4354.59,2331.96 4356.17,2335.79 4360,2337.37 4979.99,2337.37 4983.82,2335.79 4985.4,2331.96 4985.4,20 4983.82,16.17 4979.99,14.59 20,14.59 16.17,16.17 14.59,20
  text "2" at 4786.48,926.62 h50 r90
  text "2" at 4786.48,926.62 h50 r90
  text "A" at 4886.48,926.62 h50 r90
  text "A" at 4886.48,926.62 h50 r90
L3_VCC (plane layer: these items are gaps in the copper):
  rectangle: 4711,976.94 4720.8,1083.8
  rectangle: 4800.02,976.94 4822.56,1084.24
  rectangle: 4900.16,977.39 4913,1082.01
  region: 4913,1260 4710,1260 4710,1074.62 4913,1074.62
  rectangle: 4710,720 4913,994.62
  pour cut-out: 3161.99,2130.9 3160.77,2140.16 3157.19,2148.78 3151.51,2156.19 3144.1,2161.87 3135.48,2165.45 3126.22,2166.67 3116.96,2165.45 3108.34,2161.87 3100.93,2156.19 3095.25,2148.78 3091.67,2140.16 3090.45,2130.9 3091.67,2121.64 3095.25,2113.02 3100.93,2105.61 3108.34,2099.93 3116.96,2096.35 3126.22,2095.13 3135.48,2096.35 3144.1,2099.93 3151.51,2105.61 3157.19,2113.02 3160.77,2121.64 3161.99,2130.9
  pour cut-out: 3889.55,2130.9 3888.33,2140.16 3884.75,2148.78 3879.07,2156.19 3871.66,2161.87 3863.04,2165.45 3853.78,2166.67 3844.52,2165.45 3835.9,2161.87 3828.49,2156.19 3822.81,2148.78 3819.23,2140.16 3818.01,2130.9 3819.23,2121.64 3822.81,2113.02 3828.49,2105.61 3835.9,2099.93 3844.52,2096.35 3853.78,2095.13 3863.04,2096.35 3871.66,2099.93 3879.07,2105.61 3884.75,2113.02 3888.33,2121.64 3889.55,2130.9
  lines w10: 3064.61,2330 3066.19,2333.83 3070.02,2335.41 3895,2335.41 ; 3908.47,2333.52 3917.64,2324.35 ; 3915.78,2326.21 3924.95,2317.03 ; 3918.12,2333.72 3927.29,2324.55 ; 4132.2,1944.59 4141.37,1935.42 ; 4132.67,1944.61 4134.29,1945.28 4135.98,1945.74 4136.55,1946.18 4137.49,1946.8 4138.46,1947.33 4139.47,1947.77 4140.51,1948.12 4141.58,1948.38 4142.67,1948.54 4143.77,1948.61 4144.87,1948.58 4145.96,1948.46 4147.04,1948.24 4148.09,1947.93 4149.12,1947.53 4150.1,1947.04 4151.04,1946.46 4151.98,1945.77 ; 4138.6,1937.69 4147.77,1928.52 ; 4144.94,1944.37 4154.11,1935.19 ; 4155.33,1944.61 4153.74,1945.27 4152.12,1945.67 4151.98,1945.77 ; 4278.84,1946.19 4276.05,1945.04 4275.01,1944.61 ; 4282.86,1940.67 4347.77,2005.72 ; 4318.83,2278.83 4315,2280.41 ; 4327.7,2283.64 4336.87,2274.47 ; 4338.36,2282.54 4347.54,2273.36 ; 4339.15,2269.93 4348.32,2260.76 ; 4339.52,2276.47 4348.69,2267.3 ; 4339.81,2263.85 4348.98,2254.68 ; 4340.32,2287.25 4349.49,2278.07 ; 4341.79,2296.73 4350.96,2287.56 ; 4720,994.62 4801.48,994.62 ; 4720,1074.62 4801.48,1074.62 ; 4721.48,994.62 4806,994.62 ; 4721.48,1074.62 4806,1074.62 ; 4816,994.62 4901.48,994.62 ; 4816,1074.62 4901.48,1074.62 ; 4821.48,994.62 4903,994.62 ; 4821.48,1074.62 4903,1074.62 ; 3895,2335.41 3898.83,2333.83 3933.29,2299.37 3933.53,2298.79 3934.04,2298.43 3934.1,2298.32 3935.39,2296.46 3936.75,2294.81 3938.26,2293.28 3939.89,2291.89 3941.72,2290.59 3941.94,2290.45 3942.13,2290.34 3942.49,2289.83 3943.07,2289.59 3952.24,2280.41 4315,2280.41 ; 3895,2335.41 3895,2335.41 ; 4151.98,1945.77 4151.98,1945.77 ; 4151.98,1945.77 4151.98,1945.77 ; 4275.01,1944.61 4275.01,1944.61 ; 4275.01,1944.61 4275.01,1944.61 ; 4275.01,1944.61 4275.01,1944.61 ; 4315,2280.41 4315,2280.41 ; 4343.81,2011.15 4343.81,2011.15 ; 4343.81,2011.15 4343.81,2011.15 ; 4343.81,2011.15 4344.44,2012.68 4345.39,2014.98 ; 4343.81,2253.85 4344.27,2252.73 4345.39,2250.02 ; 4343.81,2253.85 4343.81,2253.85 ; 4345.39,2014.98 4345.39,2014.98 ; 4345.39,2014.98 4345.39,2014.98 ; 4345.39,2250.02 4345.39,2250.02 ; 14.59,20 14.59,2331.96 16.17,2335.79 20,2337.37 373.74,2337.37 377.57,2335.79 379.15,2331.96 379.15,1486.11 379.4,1480.36 380.14,1474.78 381.36,1469.27 383.05,1463.9 385.21,1458.7 387.81,1453.7 390.84,1448.95 394.27,1444.48 398.07,1440.32 402.23,1436.52 406.7,1433.09 411.45,1430.06 416.45,1427.46 421.65,1425.3 427.02,1423.61 432.52,1422.39 438.11,1421.65 443.74,1421.41 449.37,1421.65 454.95,1422.39 460.46,1423.61 465.83,1425.3 471.03,1427.46 476.03,1430.06 480.78,1433.09 485.25,1436.52 489.41,1440.32 493.21,1444.48 496.64,1448.95 499.67,1453.7 502.27,1458.7 504.43,1463.9 506.12,1469.27 507.34,1474.77 508.08,1480.36 508.33,1486.11 508.33,2331.96 509.91,2335.79 513.74,2337.37 3050,2337.37 3053.83,2335.79 3055.41,2331.96 3055.41,2052.24 3172.24,1935.41 4126.96,1935.41 4127.92,1935.02 4128.95,1935.03 4129.75,1934.25 4130.79,1933.83 4131.18,1932.87 4131.93,1932.15 4132.39,1931.08 4132.93,1929.98 4133.5,1929.04 4134.14,1928.15 4134.87,1927.32 4135.66,1926.55 4136.51,1925.86 4137.42,1925.25 4138.39,1924.72 4139.39,1924.27 4140.43,1923.91 4141.5,1923.65 4142.58,1923.48 4143.68,1923.4 4144.78,1923.42 4145.87,1923.54 4146.95,1923.75 4148.01,1924.05 4149.03,1924.45 4150.02,1924.93 4150.96,1925.5 4151.85,1926.14 4152.68,1926.87 4153.45,1927.66 4154.14,1928.51 4154.75,1929.42 4155.31,1930.43 4155.59,1931.02 4156.07,1932.15 4156.82,1932.87 4157.21,1933.83 4158.25,1934.25 4159.05,1935.03 4160.08,1935.02 4161.04,1935.41 4287.76,1935.41 4354.59,2002.24 4354.59,2331.96 4356.17,2335.79 4360,2337.37 4979.99,2337.37 4983.82,2335.79 4985.4,2331.96 4985.4,20 4983.82,16.17 4979.99,14.59 20,14.59 16.17,16.17 14.59,20
  lines w11.8: 3064.61,2330 3064.61,2059.98 ; 4132.67,1944.61 3179.99,1944.61 ; 4155.33,1944.61 4275.01,1944.61 ; 4278.84,1946.19 4343.81,2011.15 ; 4318.83,2278.83 4343.81,2253.85 ; 4345.39,2014.98 4345.39,2250.02 ; 3064.61,2059.98 3064.61,2059.98 ; 3064.61,2059.98 3065.46,2057.93 3066.19,2056.15 ; 3066.19,2056.15 3066.19,2056.15 ; 3066.19,2056.15 3176.16,1946.19 ; 3176.16,1946.19 3176.16,1946.19 ; 3176.16,1946.19 3176.16,1946.19 ; 3176.16,1946.19 3179.99,1944.61 ; 3179.99,1944.61 3179.99,1944.61
  lines w20: 4720,994.62 4720,1074.62 ; 4806,994.62 4806,1074.62 ; 4816,994.62 4816,1074.62 ; 4903,994.62 4903,1074.62
  text "3" at 4786.78,1050.92 h50 r90
  text "3" at 4786.78,1050.92 h50 r90
  text "A" at 4886.48,1016.62 h50 r90
  text "A" at 4886.48,1016.62 h50 r90

## Silkscreen, mask and mechanical layers (free items; w line width, h text height)
Top Overlay:
  drawing of 24523 lines, arcs and shapes, not listed
  text "S" at 4786.48,749.62 h50 r90
  text "A" at 4886.48,749.62 h50 r90
  text "MB1166 Rev.A" at 265,450 h100 r90
  text "COMPANY NAME:" at 3360,-1080 h60
  text "LAYER:" at 1760,-1130 h75
  text "ST" at 3510,-1230 h75
  text "SILKSCREEN, (PRIMARY)" at 1810,-1280 h60
  text "SILKSCREEN, (PRIMARY)" at 1810,-1280 h60
  text "PROJECT NAME:" at 3360,-1380 h60
  text "DESIGNED BY SOFER" at 490,-1400 h60
  text "www.sofer.com.cn" at 510,-1500 h60
  text "DESIGNER:" at 1810,-1530 h60
  text "Shelley" at 2310,-1530 h60
  text "MB1166" at 3510,-1530 h75
  text "Tel : +86 21 - 6482 6908" at 310,-1680 h60
  text "PROJECT NUMBER:" at 3360,-1680 h60
  text "REV" at 4560,-1680 h60
  text "Mail: design@sofer.com.cn" at 310,-1780 h60
  text "DATE:" at 1810,-1780 h60
  text "2014.08.27" at 2110,-1780 h60
  text "D031-013B1" at 3510,-1830 h75
  text "A" at 4660,-1830 h75
Bottom Overlay:
  drawing of 29916 lines, arcs and shapes, not listed
  text "B" at 4786.48,1231.62 h50 r90
  text "A" at 4886.48,1231.62 h50 r90
  text "MB1166 Rev.A" at 2874,143 h100
  text "COMPANY NAME:" at 3360,-1080 h60
  text "LAYER:" at 1760,-1130 h75
  text "ST" at 3510,-1230 h75
  text "SILKSCREEN, (SECONDARY)" at 2926,-1280 h60
  text "SILKSCREEN, (SECONDARY)" at 2926,-1280 h60
  text "PROJECT NAME:" at 3360,-1380 h60
  text "DESIGNED BY SOFER" at 490,-1400 h60
  text "www.sofer.com.cn" at 510,-1500 h60
  text "DESIGNER:" at 1810,-1530 h60
  text "Shelley" at 2310,-1530 h60
  text "MB1166" at 3510,-1530 h75
  text "Tel : +86 21 - 6482 6908" at 310,-1680 h60
  text "PROJECT NUMBER:" at 3360,-1680 h60
  text "REV" at 4560,-1680 h60
  text "Mail: design@sofer.com.cn" at 310,-1780 h60
  text "DATE:" at 1810,-1780 h60
  text "2014.08.27" at 2110,-1780 h60
  text "D031-013B1" at 3510,-1830 h75
  text "A" at 4660,-1830 h75
Top Paste:
  drawing of 24511 lines, arcs and shapes, not listed
  text "COMPANY NAME:" at 3360,-1080 h60
  text "LAYER:" at 1760,-1130 h75
  text "ST" at 3510,-1230 h75
  text "SOLDER PASTE (PRIMARY)" at 1810,-1280 h60
  text "SOLDER PASTE (PRIMARY)" at 1810,-1280 h60
  text "PROJECT NAME:" at 3360,-1380 h60
  text "DESIGNED BY SOFER" at 490,-1400 h60
  text "www.sofer.com.cn" at 510,-1500 h60
  text "DESIGNER:" at 1810,-1530 h60
  text "Shelley" at 2310,-1530 h60
  text "MB1166" at 3510,-1530 h75
  text "Tel : +86 21 - 6482 6908" at 310,-1680 h60
  text "PROJECT NUMBER:" at 3360,-1680 h60
  text "REV" at 4560,-1680 h60
  text "Mail: design@sofer.com.cn" at 310,-1780 h60
  text "DATE:" at 1810,-1780 h60
  text "2014.08.27" at 2110,-1780 h60
  text "D031-013B1" at 3510,-1830 h75
  text "A" at 4660,-1830 h75
Bottom Paste:
  drawing of 24512 lines, arcs and shapes, not listed
  text "COMPANY NAME:" at 3370,-1080 h60
  text "LAYER:" at 1770,-1130 h75
  text "ST" at 3520,-1230 h75
  text "SOLDER PASTE (SECONDARY)" at 1810,-1280 h60
  text "SOLDER PASTE (SECONDARY)" at 1810,-1280 h60
  text "PROJECT NAME:" at 3370,-1380 h60
  text "DESIGNED BY SOFER" at 500,-1400 h60
  text "www.sofer.com.cn" at 520,-1500 h60
  text "DESIGNER:" at 1820,-1530 h60
  text "Shelley" at 2320,-1530 h60
  text "MB1166" at 3520,-1530 h75
  text "Tel : +86 21 - 6482 6908" at 320,-1680 h60
  text "PROJECT NUMBER:" at 3370,-1680 h60
  text "REV" at 4570,-1680 h60
  text "Mail: design@sofer.com.cn" at 320,-1780 h60
  text "DATE:" at 1820,-1780 h60
  text "2014.08.27" at 2120,-1780 h60
  text "D031-013B1" at 3520,-1830 h75
  text "A" at 4670,-1830 h75
Top Solder:
  drawing of 24511 lines, arcs and shapes, not listed
  text "COMPANY NAME:" at 3360,-1080 h60
  text "LAYER:" at 1760,-1130 h75
  text "ST" at 3510,-1230 h75
  text "SOLDER MASK (PRIMARY)" at 1810,-1280 h60
  text "SOLDER MASK (PRIMARY)" at 1810,-1280 h60
  text "PROJECT NAME:" at 3360,-1380 h60
  text "DESIGNED BY SOFER" at 490,-1400 h60
  text "www.sofer.com.cn" at 510,-1500 h60
  text "DESIGNER:" at 1810,-1530 h60
  text "Shelley" at 2310,-1530 h60
  text "MB1166" at 3510,-1530 h75
  text "Tel : +86 21 - 6482 6908" at 310,-1680 h60
  text "PROJECT NUMBER:" at 3360,-1680 h60
  text "REV" at 4560,-1680 h60
  text "Mail: design@sofer.com.cn" at 310,-1780 h60
  text "DATE:" at 1810,-1780 h60
  text "2014.08.27" at 2110,-1780 h60
  text "D031-013B1" at 3510,-1830 h75
  text "A" at 4660,-1830 h75
Bottom Solder:
  drawing of 24512 lines, arcs and shapes, not listed
  text "COMPANY NAME:" at 3360,-1080 h60
  text "LAYER:" at 1760,-1130 h75
  text "ST" at 3510,-1230 h75
  text "SOLDER MASK (SECONDARY)" at 1810,-1280 h60
  text "SOLDER MASK (SECONDARY)" at 1810,-1280 h60
  text "PROJECT NAME:" at 3360,-1380 h60
  text "DESIGNED BY SOFER" at 490,-1400 h60
  text "www.sofer.com.cn" at 510,-1500 h60
  text "DESIGNER:" at 1810,-1530 h60
  text "Shelley" at 2310,-1530 h60
  text "MB1166" at 3510,-1530 h75
  text "Tel : +86 21 - 6482 6908" at 310,-1680 h60
  text "PROJECT NUMBER:" at 3360,-1680 h60
  text "REV" at 4560,-1680 h60
  text "Mail: design@sofer.com.cn" at 310,-1780 h60
  text "DATE:" at 1810,-1780 h60
  text "2014.08.27" at 2110,-1780 h60
  text "D031-013B1" at 3510,-1830 h75
  text "A" at 4660,-1830 h75
Mechanical 1:
  lines w1: 3600,2105 3765,2105 3765,2250 3600,2250 3600,2105 ; 4080,2015 4180,2015 4180,2070 4080,2070 4080,2015
DRAWING_ORIGIN:
  lines w1: -25,0 25,0 ; 0,-25 0,25
ORIGIN:
  circle w1: c0,0 r100
  circle w1: c0,0 r100
  lines w1: -150,0 150,0 -150,0 ; 0,-150 0,150 0,-150
TITLE_BLOCK:
  drawing of 24545 lines, arcs and shapes, not listed
  text "COMPANY NAME:" at 3360,-1080 h60
  text "LAYER:" at 1760,-1130 h75
  text "ST" at 3510,-1230 h75
  text "PROJECT NAME:" at 3360,-1380 h60
  text "DESIGNED BY SOFER" at 490,-1400 h60
  text "www.sofer.com.cn" at 510,-1500 h60
  text "DESIGNER:" at 1810,-1530 h60
  text "Shelley" at 2310,-1530 h60
  text "MB1166" at 3510,-1530 h75
  text "Tel : +86 21 - 6482 6908" at 310,-1680 h60
  text "PROJECT NUMBER:" at 3360,-1680 h60
  text "REV" at 4560,-1680 h60
  text "Mail: design@sofer.com.cn" at 310,-1780 h60
  text "DATE:" at 1810,-1780 h60
  text "2014.08.27" at 2110,-1780 h60
  text "D031-013B1" at 3510,-1830 h75
  text "A" at 4660,-1830 h75
TITLE_DATA:
  text "UNLESS OTHERWISE SPECIFIED" at 7460,-1900 h75
  text "UNLESS OTHERWISE SPECIFIED" at 7460,-1900 h75
  text "SIGNATURES" at 9360,-1950 h75
  text "SIGNATURES" at 9360,-1950 h75
  text "DATE" at 10760,-1950 h75
  text "DATE" at 10760,-1950 h75
  text "LOGO" at 11460,-2100 h130
  text "LOGO" at 11460,-2100 h130
  text "COMPANY NAME" at 12960,-2100 h130
  text "COMPANY NAME" at 12960,-2100 h130
  text "DRAWN" at 9360,-2150 h75
  text "DRAWN" at 9360,-2150 h75
  text "YY-MM-DD" at 10660,-2150 h75
  text "YY-MM-DD" at 10660,-2150 h75
  text "DIMENSIONS ARE IN INCHES" at 7510,-2200 h75
  text "DIMENSIONS ARE IN INCHES" at 7510,-2200 h75
  text "TOLERANCES ON;" at 7510,-2350 h75
  text "TOLERANCES ON;" at 7510,-2350 h75
  text "CHECKED" at 9360,-2350 h75
  text "CHECKED" at 9360,-2350 h75
  text "YY-MM-DD" at 10660,-2350 h75
  text "YY-MM-DD" at 10660,-2350 h75
  text "2 PL DECIMALS +" at 7510,-2500 h75
  text "2 PL DECIMALS +" at 7510,-2500 h75
  text "TITLE" at 11360,-2500 h100
  text "TITLE" at 11360,-2500 h100
  text "ENGRG" at 9360,-2550 h75
  text "ENGRG" at 9360,-2550 h75
  text "YY-MM-DD" at 10660,-2550 h75
  text "YY-MM-DD" at 10660,-2550 h75
  text "PROJECT NAME *" at 12110,-2600 h130
  text "PROJECT NAME *" at 12110,-2600 h130
  text "3 PL DECIMALS +" at 7510,-2650 h75
  text "3 PL DECIMALS +" at 7510,-2650 h75
  text "ISSUED" at 9360,-2750 h75
  text "ISSUED" at 9360,-2750 h75
  text "ANGLES +" at 7510,-2800 h75
  text "ANGLES +" at 7510,-2800 h75
  text "SIZE" at 11385,-2875 h75
  text "SIZE" at 11385,-2875 h75
  text "B" at 11785,-2875 h75
  text "B" at 11785,-2875 h75
  text "DWG NO" at 12135,-2875 h75
  text "DWG NO" at 12135,-2875 h75
  text "*********" at 12735,-2875 h75
  text "*********" at 12735,-2875 h75
  text "REV" at 14035,-2875 h75
  text "REV" at 14035,-2875 h75
  text "**" at 14335,-2875 h75
  text "**" at 14335,-2875 h75
  text "FRACTIONS +" at 7510,-2950 h75
  text "FRACTIONS +" at 7510,-2950 h75
  text "SCALE" at 11385,-3125 h75
  text "SCALE" at 11385,-3125 h75
  text "1:1" at 11785,-3125 h75
  text "1:1" at 11785,-3125 h75
  text "SHEET" at 13385,-3125 h75
  text "SHEET" at 13385,-3125 h75
  text "1 OF 1" at 13985,-3125 h75
  text "1 OF 1" at 13985,-3125 h75